# Altium PCB 16x16_ble.PcbDoc
Units mil, origin at the board's own origin, x right, y up, seen from the top; angles counter-clockwise.
Board outline 3503.94 x 1259.84 mil, 2 copper layers (Top Layer, Bottom Layer); 101 components, 101 nets, 426 pads, 189 vias.
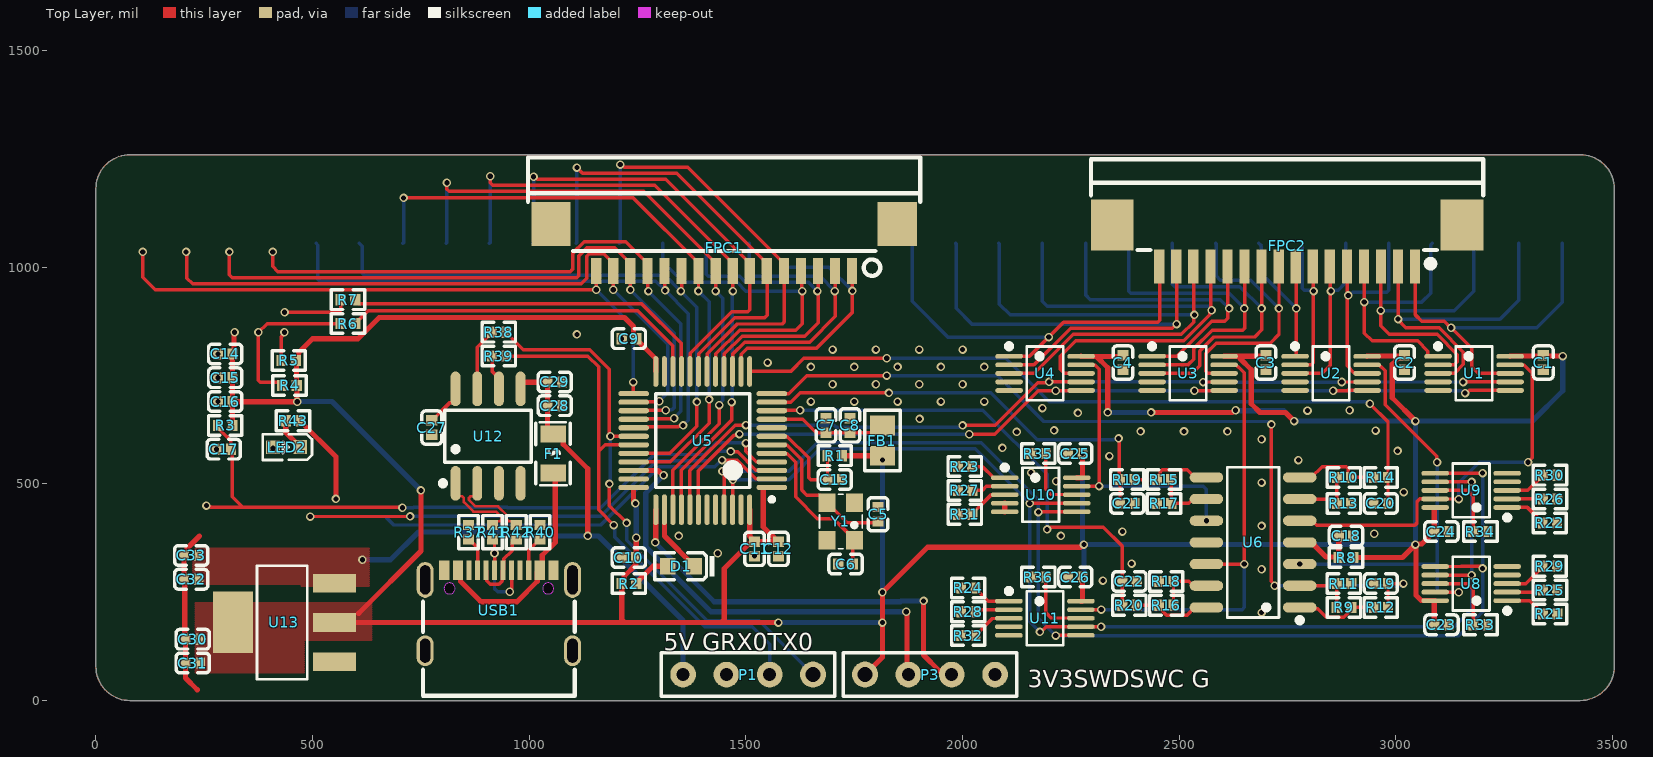
[diagram p0: Top Layer view]
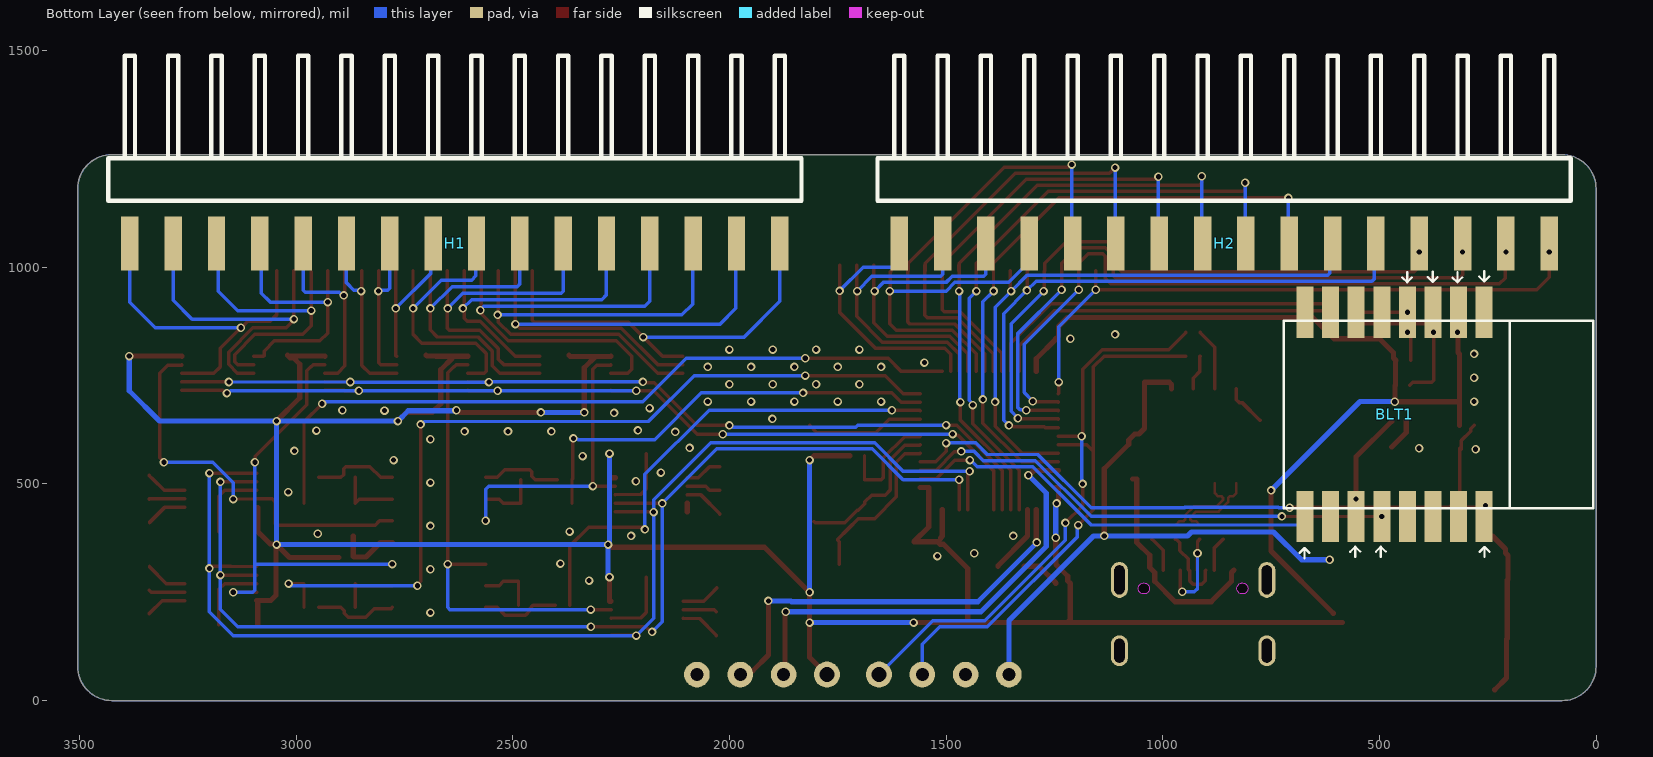
[diagram p1: Bottom Layer view, seen from below]
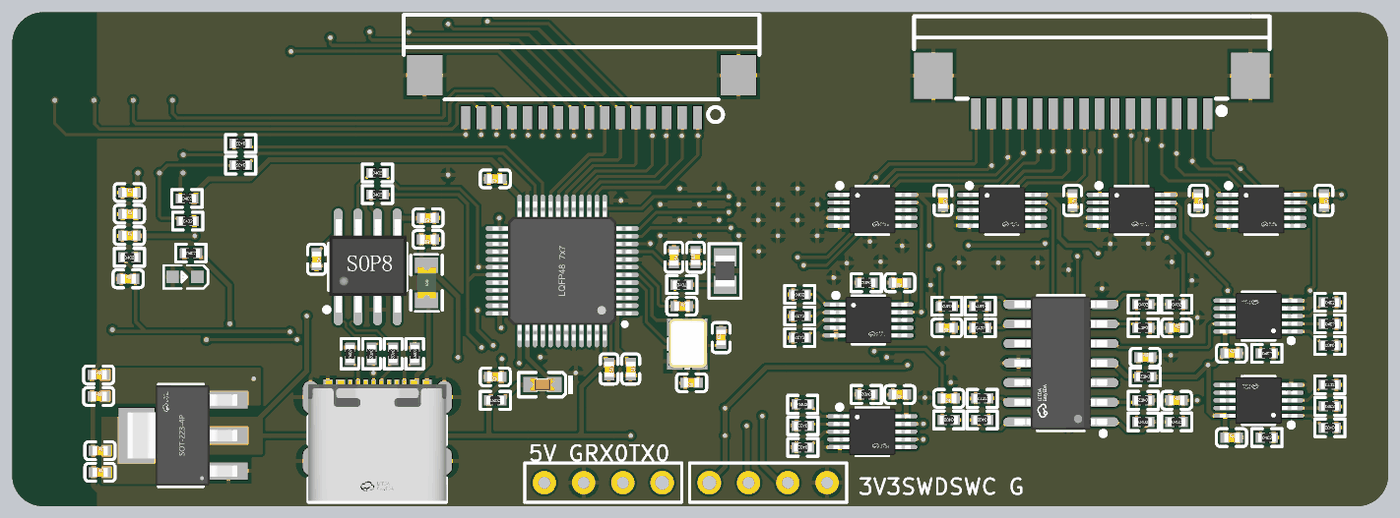
[diagram p2: 3D render of the assembled board from above, using the file's embedded part models]

## Layer stack, top to bottom
Top Solder: solder mask 0.4, Solder Resist, Dk 3.5
Top Layer: signal copper 1.4
Dielectric 1: dielectric 12.6, FR-4, Dk 4.8
Bottom Layer: signal copper 1.4
Bottom Solder: solder mask 0.4, Solder Resist, Dk 3.5

## Board outline
78.74,0 cw(c78.74,78.74) 0,78.74 0,1181.1 cw(c78.74,1181.1) 78.74,1259.84 3425.2,1259.84 cw(c3425.2,1181.1) 3503.94,1181.1 3503.94,78.74 cw(c3425.2,78.74) 3425.2,0

## Design rules (kind name [scope] priority, off if disabled: settings)
Clearance [All] p1: gap=6 ignorepadtopadclearanceinfootprint=TRUE
DiffPairsRouting DiffPair_USB_CH340DiffPairsRouting [InDifferentialPair ('USB_CH340')] p1: maxlimit=6 minlimit=6 mostfreqgap=6 toplayer_minwidth=6 toplayer_maxwidth=6 toplayer_prefwidth=6 bottomlayer_minwidth=6 bottomlayer_maxwidth=6 bottomlayer_prefwidth=6 maxuncoupledlength=500
DiffPairsRouting DiffPair_CH340DiffPairsRouting [InDifferentialPairClass('USB_CH340')] p2: maxlimit=6 minlimit=6 mostfreqgap=6 toplayer_minwidth=6 toplayer_maxwidth=6 toplayer_prefwidth=6 bottomlayer_minwidth=6 bottomlayer_maxwidth=6 bottomlayer_prefwidth=6 maxuncoupledlength=500
DiffPairsRouting DiffPair_CH340DiffPairsRouting_1 [InDifferentialPair ('CH340')] p3: maxlimit=6 minlimit=6 mostfreqgap=6 toplayer_minwidth=6 toplayer_maxwidth=6 toplayer_prefwidth=6 bottomlayer_minwidth=6 bottomlayer_maxwidth=6 bottomlayer_prefwidth=6 maxuncoupledlength=500
DiffPairsRouting DiffPair_90oumDiffPairsRouting [InDifferentialPair ('D_CH340')] p4: maxlimit=6 minlimit=6 mostfreqgap=6 toplayer_minwidth=6 toplayer_maxwidth=6 toplayer_prefwidth=6 bottomlayer_minwidth=6 bottomlayer_maxwidth=6 bottomlayer_prefwidth=6 maxuncoupledlength=500
DiffPairsRouting DiffPair_90OUMDiffPairsRouting_1 [InDifferentialPair ('USB')] p5: maxlimit=6 minlimit=6 mostfreqgap=6 toplayer_minwidth=6 toplayer_maxwidth=6 toplayer_prefwidth=6 bottomlayer_minwidth=6 bottomlayer_maxwidth=6 bottomlayer_prefwidth=6 maxuncoupledlength=500
DiffPairsRouting [InDifferentialPairClass('90OM')] p6: maxlimit=10 minlimit=6 mostfreqgap=6 toplayer_minwidth=6 toplayer_maxwidth=15 toplayer_prefwidth=6 bottomlayer_minwidth=6 bottomlayer_maxwidth=15 bottomlayer_prefwidth=6 maxuncoupledlength=500
MatchedLengths DiffPair_USB_CH340MatchedLengths [InDifferentialPair ('USB_CH340')] p1: tolerance=10 checknetsindiffpair=FALSE checkdiffpairvsdiffpair=TRUE checkxsignals=TRUE checkothers=TRUE
MatchedLengths DiffPair_CH340MatchedLengths [InDifferentialPairClass('USB_CH340')] p2: tolerance=6 checknetsindiffpair=FALSE checkdiffpairvsdiffpair=TRUE checkxsignals=TRUE checkothers=TRUE
MatchedLengths DiffPair_CH340MatchedLengths_1 [InDifferentialPair ('CH340')] p3: tolerance=10 checknetsindiffpair=FALSE checkdiffpairvsdiffpair=TRUE checkxsignals=TRUE checkothers=TRUE
MatchedLengths DiffPair_90oumMatchedLengths [InDifferentialPair ('D_CH340')] p4: tolerance=10 checknetsindiffpair=FALSE checkdiffpairvsdiffpair=TRUE checkxsignals=TRUE checkothers=TRUE
MatchedLengths DiffPair_90OUMMatchedLengths_1 [InDifferentialPair ('USB')] p5: tolerance=10 checknetsindiffpair=FALSE checkdiffpairvsdiffpair=TRUE checkxsignals=TRUE checkothers=TRUE
MatchedLengths MatchedLengths_1 [InDifferentialPairClass('90OM')] p6: tolerance=1000 checknetsindiffpair=FALSE checkdiffpairvsdiffpair=TRUE checkxsignals=TRUE checkothers=TRUE
MatchedLengths DiffPair_90oumMatchedLengths_2 [InDifferentialPair ('USB')] p7: tolerance=10 checknetsindiffpair=FALSE checkdiffpairvsdiffpair=TRUE checkxsignals=TRUE checkothers=TRUE
MatchedLengths [InDifferentialPair ('USB')] p8: tolerance=1000 checknetsindiffpair=FALSE checkdiffpairvsdiffpair=TRUE checkxsignals=TRUE checkothers=TRUE
PlaneClearance [All] p1: clearance=8
PlaneConnect [All] p1: planeconnectstyle=Direct reliefexpansion=20 reliefentries=4 reliefconductorwidth=10 reliefairgap=10
PolygonConnect [All vs InNetClass('PWR')] p1: connectstyle=Direct reliefconductorwidth=6 reliefentries=4 polygonreliefangle="90 Angle" airgapwidth=6
PolygonConnect PolygonConnect_1 [All] p2: connectstyle=Relief reliefconductorwidth=10 reliefentries=4 polygonreliefangle="90 Angle" airgapwidth=10
RoutingVias [All] p1: holewidth=12 width=24 viastyle="Through Hole" minholewidth=12 minwidth=24 maxholewidth=12 maxwidth=24
SolderMaskExpansion [IsVia] p1: expansion=4.02 istentingtop=FALSE
UnRoutedNet [All] p1: checkbadconnections=TRUE
Width Power_1 [InNetClass('pwr')] p1: maxlimit=100 minlimit=12 preferedwidth=12
Width [All] p2: maxlimit=100 minlimit=8 preferedwidth=8
Width "Data Transmission width" [InNetClass('Column Data')] p3: maxlimit=10 minlimit=10 preferedwidth=10
26 further rules are at their usual default settings.

## Classes and differential pairs
differential pair class USB_CH340: USB_CH340
net class PWR: LED_GREEN NetBLT1_11 NetD1_A NetF1_2 NetLED2_1 VCC_3V3 VCC_5V
component class Scan: C1 C2 C3 C4 FPC1 FPC2 H1 H2 U1 U2 U3 U4
component class Power: C27 C28 C29 C30 C31 C32 C33 F1 R37 R38 R39 R40 R41 R42 U12 U13 USB1
component class Measure: C18 C19 C20 C21 C22 C23 C24 C25 C26 R8 R9 R10 R11 R12 R13 R14 R15 R16 R17 R18 R19 R20 R21 R22 R23 R24 R25 R26 R27 R28 R29 R30 R31 R32 R33 R34 R35 R36 U6 U8 U9 U10 U11
component class MCU: BLT1 C5 C6 C7 C8 C9 C10 C11 C12 C13 C14 C15 C16 C17 D1 FB1 LED2 P1 P3 R1 R2 R3 R4 R5 R6 R7 R43 U5 Y1
differential pair USB_CH340: +CH340_P -CH340_N

## Components (designator, comment, footprint, x,y, rotation, side; value= is the part's Value field where it differs from the comment)
BLT1 "BLT_HC04" HC04_BLT 465,660 r270 bottom
C1 "100nF (104) 10% 16V" 0402_C 3340,780 r270 top
C2 "100nF (104) 10% 16V" 0402_C 3020,780 r270 top
C3 "100nF (104) 10% 16V" 0402_C 2700,780 r270 top
C4 "100nF (104) 10% 16V" 0402_C 2370,780 r270 top
C5 "20pF (200) 5% 50V" 0402_C 1805,430 r90 top
C6 "20pF (200) 5% 50V" 0402_C 1730,315 r180 top
C7 "10nF (103) 10% 50V" 0402_C 1685,635 r270 top
C8 "1.0uF (105) 10% 25V" 0402_C 1740,635 r90 top
C9 "100nF (104) 10% 16V" 0402_C 1230,835 r180 top
C10 "100nF (104) 10% 16V" 0402_C 1230,330 r180 top
C11 "100nF (104) 10% 16V" 0402_C 1520,350 r270 top
C12 "100nF (104) 10% 16V" 0402_C 1575,350 r270 top
C13 "100nF (104) 10% 16V" 0402_C 1705,510 r0 top
C14 "1.0uF (105) 10% 25V" 0402_C 298.27,800 r0 top
C15 "100nF (104) 10% 16V" 0402_C 298.27,745 r0 top
C16 "100nF (104) 10% 16V" 0402_C 298.27,690 r0 top
C17 "100nF (104) 10% 16V" 0402_C 295,580 r0 top
C18 "100nF (104) 10% 16V" 0402_C 2885,380 r0 top
C19 "150pF (151) 10% 50V" 0402_C 2965,270 r0 top
C20 "150pF (151) 10% 50V" 0402_C 2965,455 r0 top
C21 "150pF (151) 10% 50V" 0402_C 2380,455 r180 top
C22 "150pF (151) 10% 50V" 0402_C 2385,275 r180 top
C23 "100nF (104) 10% 16V" 0402_C 3105,175 r0 top
C24 "100nF (104) 10% 16V" 0402_C 3105,390 r0 top
C25 "100nF (104) 10% 16V" 0402_C 2260,570 r180 top
C26 "100nF (104) 10% 16V" 0402_C 2260,285 r180 top
C27 "100nF (104) 10% 16V" 0402_C 775,630 r270 top
C28 "100nF (104) 10% 16V" 0402_C 1058.74,680.39 r180 top
C29 "10uF (106) 20% 6.3V" 0402_C 1058.74,735.39 r180 top
C30 "10uF (106) 20% 10V" 0402_C 223.54,141.57 r0 top
C31 "100nF (104) 10% 16V" 0402_C 223.54,86.57 r0 top
C32 "10uF (106) 20% 10V" 0402_C 220,280 r0 top
C33 "100nF (104) 10% 16V" 0402_C 220,335 r0 top
D1 "绿灯 0603" 0603_LED_S1 1350,310 r180 top
F1 "SL0805150 6V 1.5A" F0805 1055,570 r270 top
FB1 "100Ω ±25% 100MHz" 0805_L 1815,600 r90 top
FPC1 "1.0K-FX-16PWB" FPC-SMD_16P-P1.00-HDGC_1.0K-FX-16PWB 1449.86,1045.52 r180 top
FPC2 "X10B25U16T" FPC-SMD_X10B25U16T 2749.06,1049.49 r180 top
H1 "卧贴16P_排针" CONN-SMD_16PINS 2633.74,1055 r180 bottom
H2 "卧贴16P_排针" CONN-SMD_16PINS 858.15,1055 r180 bottom
LED2 "0603" LED0603-RD 440,585 r180 top
P1 "XH2.54 4P" HC06 1505,60 r270 top
P3 "HC06" HC06 1925,60 r90 top
R1 "10KΩ (1002) ±1%" 0402_R 1705,565 r0 top
R2 "300Ω (3000) ±1%" 0402_R 1230,270 r0 top
R3 "10KΩ (1002) ±1%" 0402_R 298.27,635 r0 top
R4 "10KΩ (1002) ±1%" 0402_R 446.81,727.36 r0 top
R5 "10KΩ (1002) ±1%" 0402_R 445,785 r0 top
R6 "10Ω (10R0) ±1%" 0402_R 581.73,870 r180 top
R7 "10Ω (10R0) ±1%" 0402_R 581.73,925 r180 top
R8 "10Ω (10R0) ±1%" 0402_R 2885,330 r180 top
R9 "1KΩ (1001) ±1%" 0402_R 2880,215 r0 top
R10 "1KΩ (1001) ±1%" 0402_R 2880,515 r0 top
R11 "1KΩ (1001) ±1%" 0402_R 2880,270 r180 top
R12 "470Ω (4700) ±1%" 0402_R 2965,215 r0 top
R13 "1KΩ (1001) ±1%" 0402_R 2880,455 r180 top
R14 "470Ω (4700) ±1%" 0402_R 2965,515 r0 top
R15 "1KΩ (1001) ±1%" 0402_R 2465,510 r180 top
R16 "1KΩ (1001) ±1%" 0402_R 2470,220 r180 top
R17 "1KΩ (1001) ±1%" 0402_R 2465,455 r0 top
R18 "1KΩ (1001) ±1%" 0402_R 2470,275 r0 top
R19 "470Ω (4700) ±1%" 0402_R 2380,510 r180 top
R20 "470Ω (4700) ±1%" 0402_R 2385,220 r180 top
R21 "200R" 0402_R 3355.39,200 r180 top
R22 "200R" 0402_R 3355,410 r180 top
R23 "200R" 0402_R 2005.39,540 r0 top
R24 "200R" 0402_R 2012.87,260 r0 top
R25 "1K" 0402_R 3355.39,255 r0 top
R26 "1K" 0402_R 3355.39,465 r0 top
R27 "1K" 0402_R 2005.39,485 r180 top
R28 "1K" 0402_R 2013.27,205 r180 top
R29 "10K" 0402_R 3355,310 r0 top
R30 "10K" 0402_R 3355.39,520 r0 top
R31 "10K" 0402_R 2005.39,430 r180 top
R32 "10K" 0402_R 2013.27,150 r180 top
R33 "4.7K" 0402_R 3195,175 r0 top
R34 "4.7k" 0402_R 3195,390 r0 top
R35 "4.7K" 0402_R 2175,570 r180 top
R36 "4.7K" 0402_R 2175,285 r180 top
R37 "5.1KΩ (5101) ±1%" 0402_R 860,388.66 r90 top
R38 "100Ω (1000) ±1%" 0402_R 930,850 r0 top
R39 "100Ω (1000) ±1%" 0402_R 930,795 r0 top
R40 "5.1KΩ (5101) ±1%" 0402_R 1025,388.66 r90 top
R41 "100Ω (1000) ±1%" 0402_R 915,388.66 r270 top
R42 "100Ω (1000) ±1%" 0402_R 970,388.66 r270 top
R43 "300Ω (3000) ±1%" 0402_R 455.02,645.75 r0 top
U1 "RS2255XN" MSOP-10_L3.0-W3.0-P0.50-LS5.0-BL 3180.39,755 r270 top
U2 "" MSOP-10_L3.0-W3.0-P0.50-LS5.0-BL 2850.39,755 r270 top
U3 "RS2255XN" MSOP-10_L3.0-W3.0-P0.50-LS5.0-BL 2520.39,755 r270 top
U4 "" MSOP-10_L3.0-W3.0-P0.50-LS5.0-BL 2190.39,755 r270 top
U5 "GD32E103CBT6" LQFP48_N 1400.39,600 r180 top
U6 "LMV324-SR" SOP-14_L8.6-W3.9-P1.27-LS6.0-BL 2670.39,365 r90 top
U8 "RS2255XN" MSOP-10_L3.0-W3.0-P0.50-LS5.0-BL 3173.66,270 r90 top
U9 "RS2255XN" MSOP-10_L3.0-W3.0-P0.50-LS5.0-BL 3173.66,485 r90 top
U10 "RS2255XN" MSOP-10_L3.0-W3.0-P0.50-LS5.0-BL 2180.39,475 r270 top
U11 "RS2255XN" MSOP-10_L3.0-W3.0-P0.50-LS5.0-BL 2190,190 r270 top
U12 "" SOP-8_L5.0-W4.0-P1.27-LS6.0-BL 905,610.39 r0 top
U13 "" SOT-223-3_L6.5-W3.4-P2.30-LS7.0-BR 433.54,180.31 r0 top
USB1 "TYPE-C16PIN" USB-C-SMD_TYPE-C16PIN 929.9,208 r0 top
Y1 "25MHz" 3225 1750.47,370 r180 top

## Footprints (in the part's own frame and the unit in brackets; to place one, negate y for a bottom-side part, rotate by r counter-clockwise, add the part's x,y. Pads: shape width x height; smd on the part's side, far side on the other; paste and mask are expansions set on the pad)
0402_C [mm]
  rect 0.6x0.65 smd mask+0.051: 1(-0.425,0) 2(0.425,0)
  silkscreen extent -0.98,-0.58 0.98,0.58, body extent -0.48,-0.3 0.52,0.3, height 0.2
0402_R [mm]
  rect 0.6x0.65 smd mask+0.051: 1(-0.425,0) 2(0.425,0)
  silkscreen extent -0.98,-0.57 0.98,0.58, body extent -0.57,-0.27 0.58,0.28, height 0.41
0603_LED_S1 [mm]
  rect 0.93x0.98 smd: A(0.77,0) K(-0.77,0)
  silkscreen extent -1.97,-0.79 1.54,0.79, body extent -0.8,-0.4 0.8,0.4, height 0.6
0805_L [mm]
  rect 1.16x1.47 smd: 1(-0.89,0) 2(0.89,0)
  silkscreen extent -1.77,-1.04 1.77,1.03, body extent -1,-0.64 1,0.64, height 0.6
3225 [mm]
  rect 1x1.1 smd: 1(0,0) 2(0,-2.2) 3(1.6,-2.2) 4(1.6,0)
  silkscreen extent -0.45,-2.7 2.05,0.5, body extent -0.5,-2.78 2.02,0.44, height 0.6
CONN-SMD_16PINS [mm] "16PINS_Horizontal Surface Mount_Switch arrangement"
  rect 1.02x3.17 smd mask+0.05: 1(-19.05,0) 2(-16.51,0) 3(-13.97,0) 4(-11.43,0) 5(-8.89,0) 6(-6.35,0) 7(-3.81,0) 8(-1.27,0) 9(1.27,0) 10(3.81,0) 11(6.35,0) 12(8.89,0) 13(11.43,0) 14(13.97,0) 15(16.51,0) 16(19.05,0)
  silkscreen extent -20.32,2.5 20.32,11
F0805 [mm]
  rect 1x1.5 smd: 1(-1.142,0) 2(1.142,0)
  silkscreen extent -1.83,-1.02 1.85,1.02, body extent -1,-0.58 1,0.64, height 0.52
FPC-SMD_16P-P1.00-HDGC_1.0K-FX-16PWB [mm]
  rect 0.6x1.5 smd mask+0.05: 1(-7.5,1.375) 2(-6.5,1.375) 3(-5.5,1.375) 4(-4.5,1.375) 5(-3.5,1.375) 6(-2.5,1.375) 7(-1.5,1.375) 8(-0.5,1.375) 9(0.5,1.375) 10(1.5,1.375) 11(2.5,1.375) 12(3.5,1.375) 13(4.5,1.375) 14(5.5,1.375) 15(6.5,1.375) 16(7.5,1.375)
  rect 2.3x2.6 smd mask+0.05: 17(10.15,-1.375) 18(-10.15,-1.375)
  silkscreen extent -11.5,-5.27 11.5,1.67, body extent -11.5,-5.15 11.5,1.65, height 2.58
FPC-SMD_X10B25U16T [mm]
  rect 0.6x2 smd mask+0.051: 1(-7.5,1.225) 2(-6.5,1.225) 3(-5.5,1.225) 4(-4.5,1.225) 5(-3.5,1.225) 6(-2.5,1.225) 7(-1.5,1.225) 8(-0.5,1.225) 9(0.5,1.225) 10(1.5,1.225) 11(2.5,1.225) 12(3.5,1.225) 13(4.5,1.225) 14(5.5,1.225) 15(6.5,1.225) 16(7.5,1.225)
  rect 2.5x3 smd mask+0.051: 17(10.25,-1.225) 18(-10.25,-1.225)
  silkscreen extent -11.5,-5.08 11.5,1.25, body extent -11.5,-5.37 11.5,1.38, height 2.46
HC04_BLT [mm] "Bluetooth_HC06"
  rect 3x1 smd: 1(-6,5.25) 2(-6,3.75) 3(-6,2.25) 4(-6,0.75) 5(-6,-0.75) 6(-6,-2.25) 7(-6,-3.75) 8(-6,-5.25) 9(5.981,-5.25) 10(5.981,-3.75) 11(5.981,-2.25) 12(5.981,-0.75) 13(5.981,0.75) 14(5.981,2.25) 15(5.981,3.75) 16(5.981,5.25)
  silkscreen extent -5.5,-6.5 5.5,11.65
HC06 [mm]
  round 1.5 hole 0.762: 1(0,-3.81) 2(0,-1.27) 3(0,1.27)
  round 1.524 hole 0.9: 4(0,3.81)
  silkscreen extent -1.27,-5.08 1.27,5.08
LED0603-RD [mm]
  rect 0.8x0.8 smd: 1(-0.799,-0.003) 2(0.799,0.003)
  silkscreen extent -1.49,-0.75 1.39,0.76, body extent -0.93,-0.4 0.69,0.42, height 0.56
LQFP48_N [mm]
  oval 1.8x0.3 smd: 1(-4.05,2.75) 2(-4.05,2.25) 3(-4.05,1.75) 4(-4.05,1.25) 5(-4.05,0.75) 6(-4.05,0.25) 7(-4.05,-0.25) 8(-4.05,-0.75) 9(-4.05,-1.25) 10(-4.05,-1.75) 11(-4.05,-2.25) 12(-4.05,-2.75) 25(4.05,-2.75) 26(4.05,-2.25) 27(4.05,-1.75) 28(4.05,-1.25) 29(4.05,-0.75) 30(4.05,-0.25) 31(4.05,0.25) 32(4.05,0.75) 33(4.05,1.25) 34(4.05,1.75) 35(4.05,2.25) 36(4.05,2.75)
  oval 0.3x1.8 smd: 13(-2.75,-4.05) 14(-2.25,-4.05) 15(-1.75,-4.05) 16(-1.25,-4.05) 17(-0.75,-4.05) 18(-0.25,-4.05) 19(0.25,-4.05) 20(0.75,-4.05) 21(1.25,-4.05) 22(1.75,-4.05) 23(2.25,-4.05) 24(2.75,-4.05) 37(2.75,4.05) 38(2.25,4.05) 39(1.75,4.05) 40(1.25,4.05) 41(0.75,4.05) 42(0.25,4.05) 43(-0.25,4.05) 44(-0.75,4.05) 45(-1.25,4.05) 46(-1.75,4.05) 47(-2.25,4.05) 48(-2.75,4.05)
  silkscreen extent -4.18,-2.75 2.75,3.57, body extent -4.5,-4.5 4.5,4.5, height 1.45
MSOP-10_L3.0-W3.0-P0.50-LS5.0-BL [mil]
  oval 11x63.8 smd mask+2: 1(-39.4,-83.1) 2(-19.7,-83.1) 3(0,-83.1) 4(19.7,-83.1) 5(39.4,-83.1) 6(39.4,83.1) 7(19.7,83.1) 8(0,83.1) 9(-19.7,83.1) 10(-39.4,83.1)
  silkscreen extent -69,-89 62,42, body extent -59,-98 59,98, height 41
SOP-8_L5.0-W4.0-P1.27-LS6.0-BL [mil]
  oval 22.6x80.14 smd: 1(-75,-108.97) 2(-25,-108.97) 3(25,-108.97) 4(75,-108.97) 5(75,108.97) 6(25,108.97) 7(-25,108.97) 8(-75,108.97)
  silkscreen extent -110,-115 99,60, body extent -98,-116 100,122, height 63
SOP-14_L8.6-W3.9-P1.27-LS6.0-BL [mm]
  oval 0.595x1.968 smd mask+0.051: 1(-3.81,-2.734) 2(-2.54,-2.734) 3(-1.27,-2.734) 4(0,-2.734) 5(1.27,-2.734) 6(2.54,-2.734) 7(3.81,-2.734) 8(3.81,2.734) 9(2.54,2.734) 10(1.27,2.734) 11(0,2.734) 12(-1.27,2.734) 13(-2.54,2.734) 14(-3.81,2.734)
  silkscreen extent -4.71,-2.88 4.4,1.52, body extent -4.31,-3 4.31,3, height 1.47
SOT-223-3_L6.5-W3.4-P2.30-LS7.0-BR [mm]
  rect 2.5x1.1 smd mask+0.051: 1(2.97,-2.3) 2(2.97,0) 3(2.97,2.3)
  rect 2.34x3.6 smd mask+0.051: 4(-2.97,0)
  silkscreen extent -1.57,-3.33 1.37,3.33, body extent -3.55,-3.25 3.55,3.25, height 1.7
USB-C-SMD_TYPE-C16PIN [mil]
  oval 39.4x82.7 hole 23.6 slot 66.9 at 90 deg mask+2: 1(-170.1,70.4) 2(170.1,70.4)
  oval 39.4x70.9 hole 23.6 slot 55.1 at 90 deg mask+2: 3(-170.1,-93) 4(170.1,-93)
  rect 23.6x45.3 smd mask+2: A1B12(-126,93) A4B9(-94.5,93) B1A12(126,93) B4A9(94.5,93)
  rect 11.8x45.3 smd mask+2: A5(-49.2,93) A6(-9.8,93) A7(9.8,93) A8(-68.9,93) B5(68.9,93) B6(29.5,93) B7(-29.5,93) B8(49.2,93)
  Keep-Out Layer board cut-out: -101,50.7 -102.27,56.25 -105.82,60.71 -110.95,63.18 -116.65,63.18 -121.78,60.71 -125.33,56.25 -126.6,50.7 -126.6,50.7 -125.33,45.15 -121.78,40.69 -116.65,38.22 -110.95,38.22 -105.82,40.69 -102.27,45.15 -101,50.7
  Keep-Out Layer board cut-out: 126.6,50.7 125.33,56.25 121.78,60.71 116.65,63.18 110.95,63.18 105.82,60.71 102.27,56.25 101,50.7 101,50.7 102.27,45.15 105.82,40.69 110.95,38.22 116.65,38.22 121.78,40.69 125.33,45.15 126.6,50.7
  silkscreen extent -175,-197 175,20, body extent -176,-194 176,113, height 126

## Part data
C1 C2 C3 C4 C13 C15 C16 C17 C18 C23 C24 C25 C26 C27 C28 C31 C33: library part "0402 100nF (104) 10% 16V", "贴片电容", Package=0402, SuppliersPartNumber=C1525, ComponentLink1Description=供应商链接, ComponentLink1URL=http://www.szlcsc.com/product/details_1877.html, Supplier=LC
C5 C6: library part "0402 20pF (200) 5% 50V", "贴片电容", Package=0402, SuppliersPartNumber=C1554, ComponentLink1Description=供应商链接, ComponentLink1URL=http://www.szlcsc.com/product/details_1906.html, Supplier=LC
C7: library part "0402 10nF (103) 10% 50V", "贴片电容", Package=0402, SuppliersPartNumber=C15195, ComponentLink1Description=供应商链接, ComponentLink1URL=http://www.szlcsc.com/product/details_15869.html, Supplier=LC
C8 C9 C10 C11 C12: library part 0402-C, "贴片电容"
C14: library part "0402 1.0uF (105) 10% 25V", "贴片电容", Package=0402, SuppliersPartNumber=C52923, ComponentLink1Description=供应商链接, ComponentLink1URL=http://www.szlcsc.com/product/details_53938.html, Supplier=LC
C19 C20 C21 C22: library part "0402 150pF (151) 10% 50V", "贴片电容", Package=0402, SuppliersPartNumber=C1527, ComponentLink1Description=供应商链接, ComponentLink1URL=http://www.szlcsc.com/product/details_1879.html, Supplier=LC
C29 C30 C32: library part "0402 10uF (106) 20% 6.3V", "贴片电容", Package=0402, SuppliersPartNumber=C15525, ComponentLink1Description=供应商链接, ComponentLink1URL=http://www.szlcsc.com/product/details_16204.html, Supplier=LC
D1: library part "0603 绿灯", "发光二极管", Package=0603, SuppliersPartNumber=C72043, ComponentLink1Description=供应商链接, ComponentLink1URL=http://www.szlcsc.com/product/details_73152.html, Supplier=LC
F1: library part SL0805150, BOM_JLCPCB Part Class="Extended Part", BOM_Manufacturer=TECHFUSE, BOM_Manufacturer Part=SL0805150, BOM_Supplier=LCSC, BOM_Supplier Part=C70156, spicePre=F, spiceSymbolName=SL0805150
FB1: library part "0805 100Ω 25% 100MHz", "贴片磁珠", Package=0805, SuppliersPartNumber=C1015, ComponentLink1Description=供应商链接, ComponentLink1URL=http://www.szlcsc.com/product/details_1367.html, Supplier=LC
FPC1: library part FPC_16P_抽屉式下接, JLCPCB Part Class="Extended Part", LCSC Part Name="1mm P数:16 抽屉式 下接", Manufacturer=HDGC(华德共创), Operating Temperature Range=-20℃~+85℃, Add into BOM=yes, Contact Type=下接, Convert to PCB=yes, Datasheet=https://atta.szlcsc.com/upload/public/pdf/source/20211102/926C0C24B01018ECCB068402A8A27F57.pdf, Device=1.0K-FX-16PWB, FFC, FCB Thickness=0.3mm, Height Above Board=2.5mm, Locking Feature=抽屉式, Manufacturer Part=1.0K-FX-16PWB, Mounting Type=卧贴, Name=1.0K-FX-16PWB, Number of Contacts=16, Pitch=1mm, Supplier=LCSC, Supplier Footprint=SMD,P=1mm, Supplier Part=C2914075, Symbol=1.0K-FX-16PWB
FPC2: library part FPC_16P_抽屉式上接, JLCPCB Part Class="Extended Part", LCSC Part Name="1mm P数:16 抽屉式 上接 镀锡", Manufacturer="XKB Connectivity(中国星坤)", Operating Temperature Range=-40℃~+85℃, Welding Temperature (Max)=260℃, Add into BOM=yes, Contact Material=磷青铜, Contact Plating=金, Contact Type=上接, Convert to PCB=yes, Datasheet=https://atta.szlcsc.com/upload/public/pdf/source/20211011/E8BDE13A8FA62B089EE070F29D883999.pdf, Device=X10B25U16T, FFC, FCB Thickness=0.3mm, Height Above Board=2.5mm, Locking Feature=抽屉式, Manufacturer Part=X10B25U16T, Mounting Type=卧贴, Name=X10B25U16T, Number of Contacts=16, Pitch=1mm, Supplier=LCSC, Supplier Footprint=SMD,P=1mm, Supplier Part=C500194, Symbol=X10B25U16T
LED2: library part "0603 LED 蓝", "0603 LED 蓝", Emitted Color=蓝灯, JLCPCB Part Class="Extended Part", Manufacturer=国星光电, Manufacturer Part=NCD0603B4, Add into BOM=yes, Convert to PCB=yes, Datasheet=https://atta.szlcsc.com/upload/public/pdf/source/20200820/C89814_3D11357C976AB31B19046E836063F91D.pdf, Device=NCD0603B4, LCSC Part Name=蓝灯, Name=NCD0603B4, Supplier=LCSC, Supplier Footprint=0603, Supplier Part=C89814, Symbol=FC-F1608BK-470H5
R1 R3 R4 R5 R29 R30 R31 R32: library part "0402 10KΩ (1002) 1%", "贴片电阻", Package=0402, SuppliersPartNumber=C25744, ComponentLink1Description=供应商链接, ComponentLink1URL=http://www.szlcsc.com/product/details_26487.html, Supplier=LC
R2 R43: library part "0402 300Ω (3000) 1%", "贴片电阻", Package=0402, SuppliersPartNumber=C25102, ComponentLink1Description=供应商链接, ComponentLink1URL=http://www.szlcsc.com/product/details_25845.html, Supplier=LC
R6 R7 R8: library part "0402 10Ω (10R0) 1%", "贴片电阻", Package=0402, SuppliersPartNumber=C25077, ComponentLink1Description=供应商链接, ComponentLink1URL=http://www.szlcsc.com/product/details_25820.html, Supplier=LC
R9 R10 R11 R13 R15 R16 R17 R18 R25 R26 R27 R28: library part "0402 1KΩ (1001) 1%", "贴片电阻", Package=0402, SuppliersPartNumber=C11702, ComponentLink1Description=供应商链接, ComponentLink1URL=http://www.szlcsc.com/product/details_12256.html, Supplier=LC
R12 R14 R19 R20: library part "0402 470Ω (4700) 1%", "贴片电阻", Package=0402, SuppliersPartNumber=C25117, ComponentLink1Description=供应商链接, ComponentLink1URL=http://www.szlcsc.com/product/details_25860.html, Supplier=LC
R21 R22 R23 R24: library part "0402 200Ω (2000) 1%", "贴片电阻", Package=0402, SuppliersPartNumber=C25087, ComponentLink1Description=供应商链接, ComponentLink1URL=http://www.szlcsc.com/product/details_25830.html, Supplier=LC
R33 R34 R35 R36: library part "0402 4.7KΩ (4701) 1%", "贴片电阻", Package=0402, SuppliersPartNumber=C25900, ComponentLink1Description=供应商链接, ComponentLink1URL=http://www.szlcsc.com/product/details_26643.html, Supplier=LC
R37 R40: library part "0402 5.1KΩ (5101) 1%", "贴片电阻", Package=0402, SuppliersPartNumber=C25905, ComponentLink1Description=供应商链接, ComponentLink1URL=http://www.szlcsc.com/product/details_26648.html, Supplier=LC
R38 R39 R41 R42: library part "0402 100Ω (1000) 1%", "贴片电阻", Package=0402, SuppliersPartNumber=C25076, ComponentLink1Description=供应商链接, ComponentLink1URL=http://www.szlcsc.com/product/details_25819.html, Supplier=LC
U1 U3 U8 U9 U10 U11: BOM_JLCPCB Part Class="Extended Part", BOM_Manufacturer="Jiangsu RUNIC Tech", BOM_Manufacturer Part=RS2255XN, BOM_Supplier=LCSC, BOM_Supplier Part=C783421, Contributor=LCSC, spicePre=U, spiceSymbolName=RS2255XN
U2 U4: library part RS2255XN, BOM_JLCPCB Part Class="Extended Part", BOM_Manufacturer="Jiangsu RUNIC Tech", BOM_Manufacturer Part=RS2255XN, BOM_Supplier=LCSC, BOM_Supplier Part=C783421, Contributor=LCSC, spicePre=U, spiceSymbolName=RS2255XN
U6: BOM_JLCPCB Part Class="Extended Part", BOM_Manufacturer=IDCHIP, BOM_Manufacturer Part=LMV324, BOM_Supplier=LCSC, BOM_Supplier Part=C395458, spicePre=U, spiceSymbolName=LMV324, subpart_no=3
U12: library part CH340N, BOM_JLCPCB Part Class="Extended Part", BOM_Manufacturer="WCH(Jiangsu Qin Heng)", BOM_Manufacturer Part=CH340N, BOM_Supplier=LCSC, BOM_Supplier Part=C506813, Contributor=LCSC, spicePre=U, spiceSymbolName=CH340N
U13: library part AMS1117-3.3V, BOM_JLCPCB Part Class="Extended Part", BOM_Manufacturer=FM, BOM_Manufacturer Part=SC1117-3.3V, BOM_Supplier=LCSC, BOM_Supplier Part=C173386, Contributor=LCSC, spicePre=U, spiceSymbolName=SC1117-3.3V
USB1: BOM_JLCPCB Part Class="Extended Part", BOM_Manufacturer="SHOU HAN", BOM_Manufacturer Part=TYPE-C16PIN, BOM_Supplier=LCSC, BOM_Supplier Part=C393939, Contributor=LCSC, spicePre=U, spiceSymbolName=TYPE-C16PIN
Y1: library part XTAL-4, "Crystal Oscillator", LatestRevisionDate=17-Jul-2002, LatestRevisionNote="Re-released for DXP Platform.", PackageDescription="Crystal, Thru-Hole; 2 Leads; Body 3.1 x 8.2 mm (Dia.xH)", PackageReference=R38, Published=8-Jun-2000, Publisher="Altium Limited"
U5: ComponentLink1Description="Manufacturer URL", ComponentLink1URL=http://www.st.com/, ComponentLink2Description="STM32F103 Datasheet", ComponentLink2URL=http://www.st.com/internet/com/TECHNICAL_RESOURCES/TECHNICAL_LITERATURE/DATASHEET/CD00161566.pdf, ComponentLink3Description="STM32 Family Web Page", ComponentLink3URL=www.st.com/stm32, DatasheetVersion="rev13.0, Apr-2011", PackageDescription="48-Pin Low-Profile Quad Flat Pack, 7 x 7 mm Body, 0.5 mm Pitch (LQFP48)", PackageReference=LQFP48, PackageVersion="rev13, Apr-2011"

## Via types
v1: diameter 19.68, hole 11.81, Top Layer to Bottom Layer, tented both sides, 189 vias
